# KiCad board STM32MP25XXAK with 2 DDR4.kicad_pcb
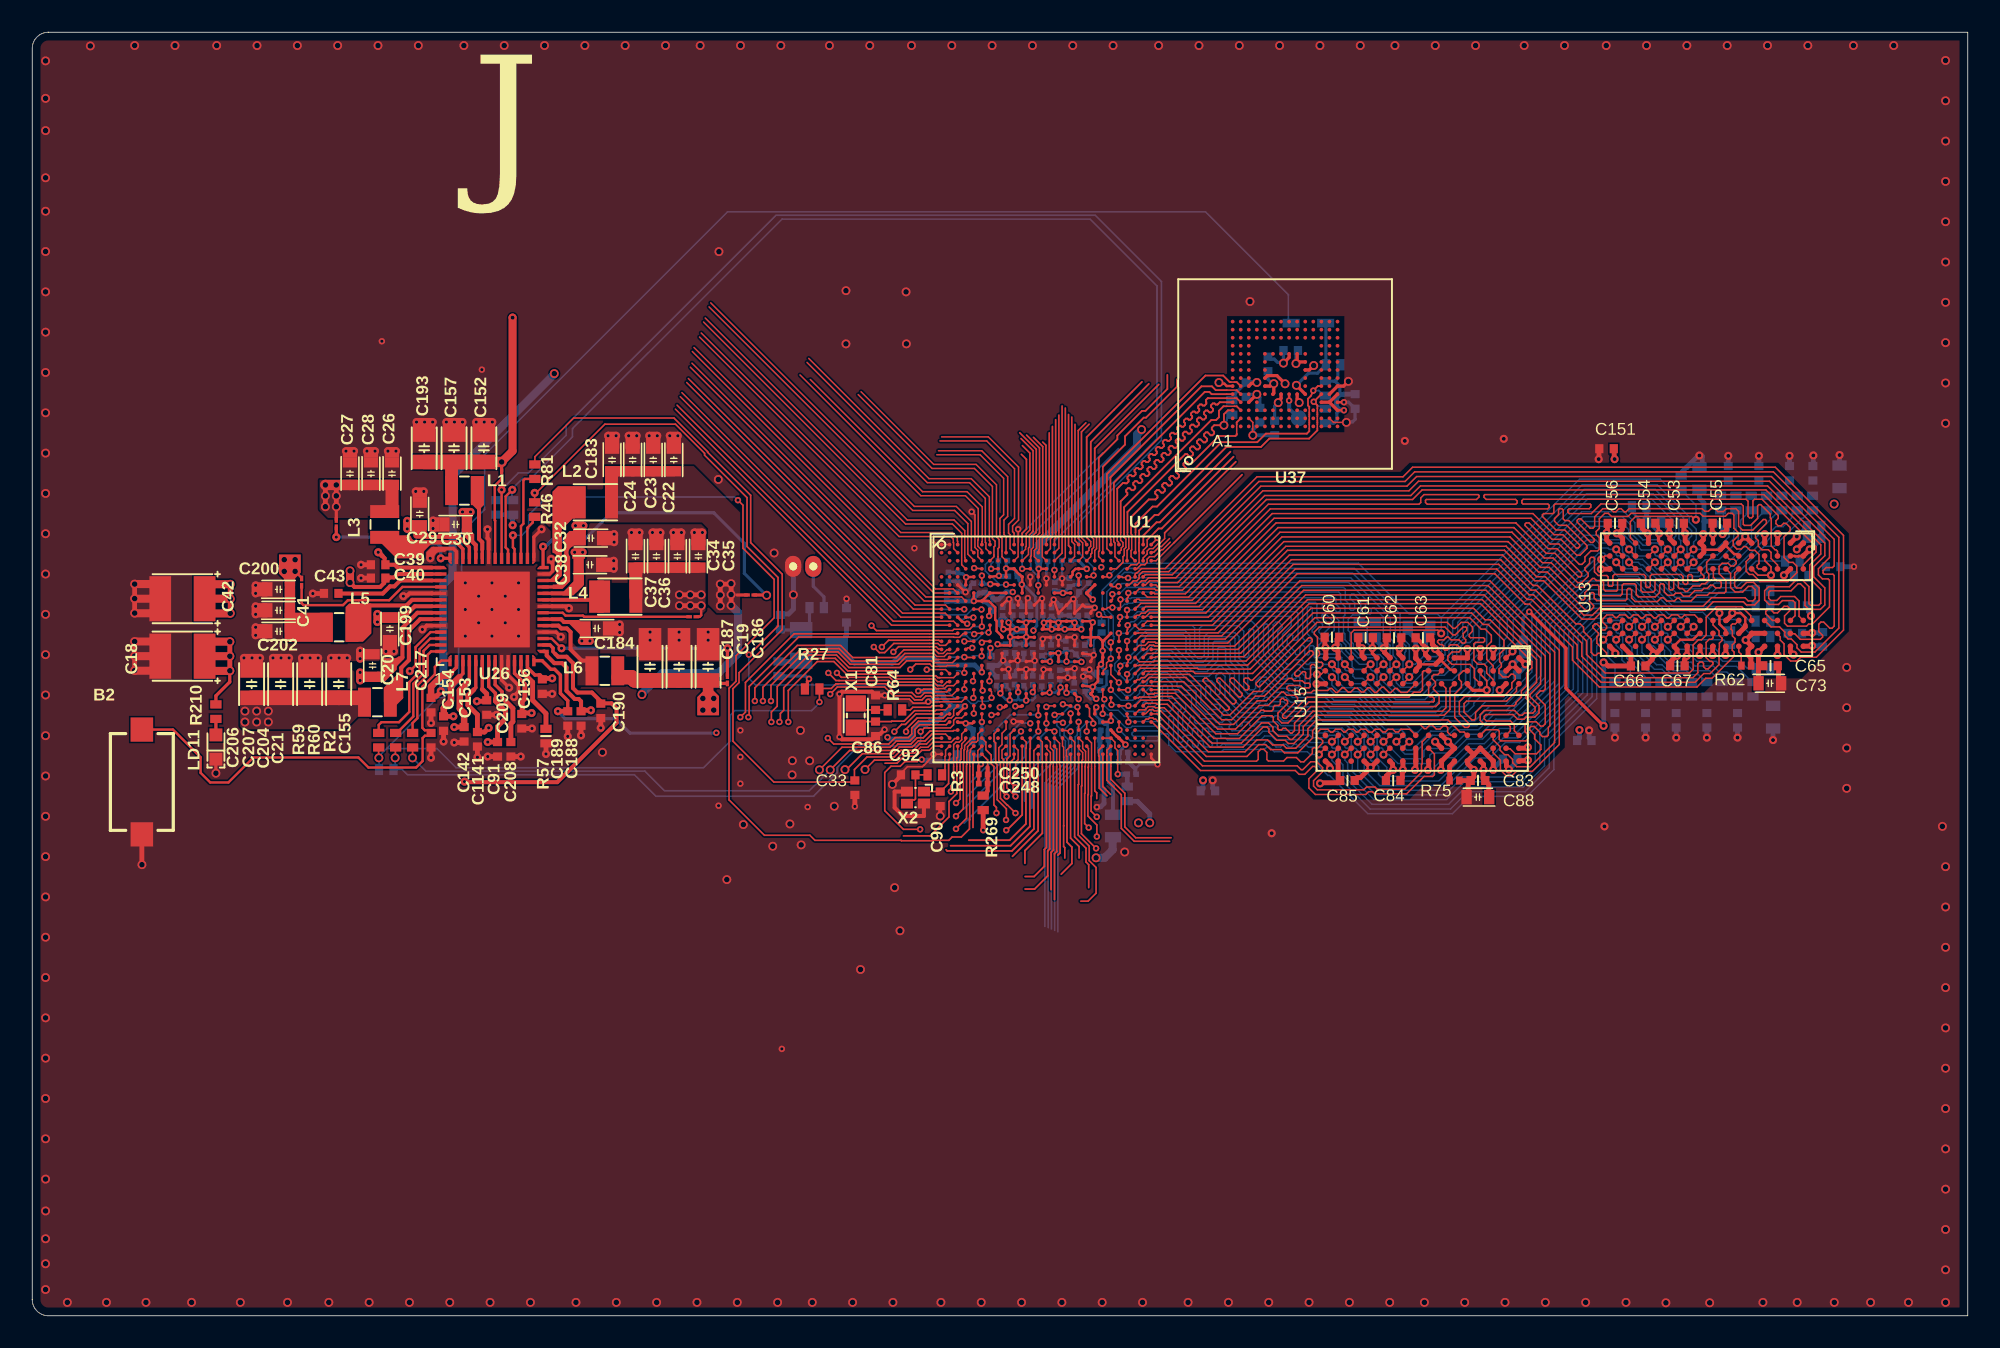
[diagram p0: board, top side]
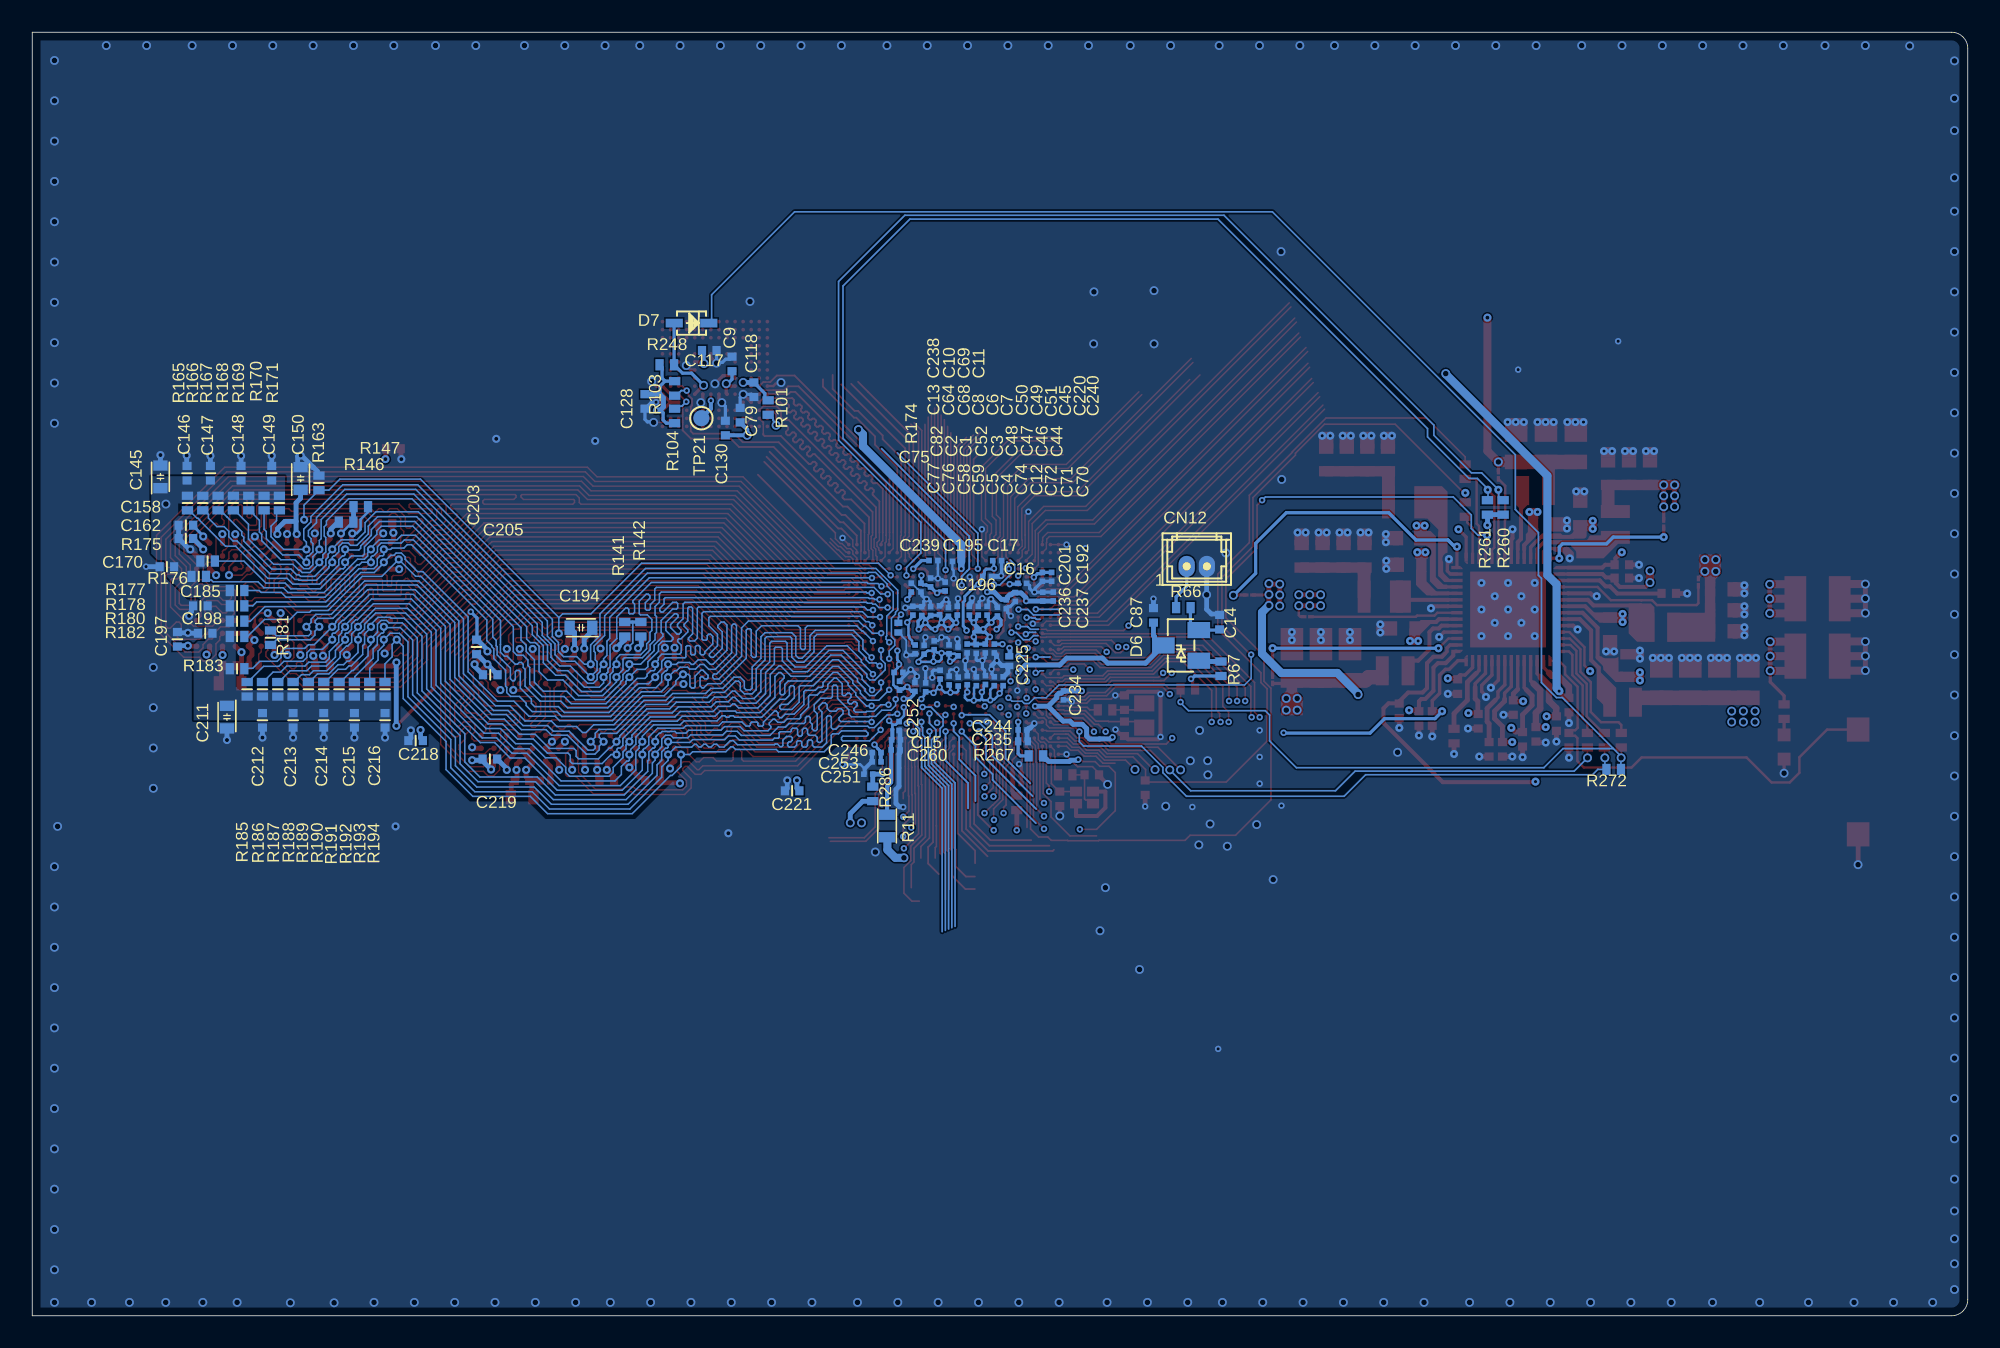
[diagram p1: board, bottom side, seen from below]

Outline 120 x 79.6 mm; copper layers: Top Layer, Signal Layer 1, Signal Layer 2 2, Bottom Layer. Coordinates in mm from the lower left corner of the outline.
Outline path: 0,78.6 arc(0.29,79.31) 1,79.6 120,79.6 120,0 1,0 arc(0.29,0.29) 0,1 0,78.6

## Placement (name value [footprint] x y rotation side)
B2  SW_PUSH_SMD_2P  [SWI_WE_434121025816]  6.79 33.1 90 top
C1  1uF  [C0201_MURATA_GRM033_H0P3]  64.08 41.58 270 bottom
C2  1uF  [C0201_MURATA_GRM033_H0P3]  64.71 41.3 270 bottom
C3  1uF  [C0201_MURATA_GRM033_H0P3]  62.6 41.2 270 bottom
C4  1uF  [C0201_MURATA_GRM033_H0P3]  62.59 39.33 270 bottom
C5  1uF  [C0201_MURATA_GRM033_H0P3]  63.15 39.4 270 bottom
C6  1uF  [C0201_MURATA_GRM033_H0P3]  63.2 43.65 90 bottom
C7  1uF  [C0201_MURATA_GRM033_H0P3]  62.65 43.73 270 bottom
C8  1uF  [C0201_MURATA_GRM033_H0P3]  63.75 43.75 90 bottom
C9  Capacitor  [C0402]  76.62 59.03 270 bottom
C10  1uF  [C0201_MURATA_GRM033_H0P3]  64.9 45.16 90 bottom
C11  1uF  [C0201_MURATA_GRM033_H0P3]  63.4 45.22 270 bottom
C12  1uF  [C0201_MURATA_GRM033_H0P3]  61.47 39.35 90 bottom
C13  1uF  [C0201_MURATA_GRM033_H0P3]  65.4 43.72 270 bottom
C14  Capacitor  [C0402]  46.38 43.01 270 bottom
C15  Capacitor  [C0201_MURATA_GRM033_H0P3]  66.45 35.72 0 bottom
C16  Capacitor  [C0201_MURATA_GRM033_H0P3]  58.63 45.42 0 bottom
C17  Capacitor  [C0201_MURATA_GRM033_H0P3]  60.18 46.83 0 bottom
C18  Cap_POL_TANA  [CPOL_TCJ-B_1210_H210]  9.31 40.91 180 top
C19  Capacitor  [C0805]  40.1 40.25 270 top
C20  Capacitor  [C0603]  21.1 40.32 270 top
C21  Capacitor  [C0805]  19 39.17 270 top
C22  Capacitor  [C0603]  39.78 53.07 270 top
C23  Capacitor  [C0603]  38.5 53.07 270 top
C24  Capacitor  [C0603]  37.23 53.07 270 top
C26  Capacitor  [C0603]  22.3 52.22 270 top
C27  Capacitor  [C0603]  19.7 52.22 270 top
C28  Capacitor  [C0603]  21 52.22 270 top
C29  Capacitor  [C0603]  24.03 49.72 270 top
C30  Capacitor  [C0603]  26.25 49.07 0 top
C32  Capacitor  [C0603]  34.63 48.22 180 top
C33  Capacitor  [C0402]  51 32.75 90 top
C34  Capacitor  [C0603]  40 47.1 270 top
C35  Capacitor  [C0603]  41.3 47.1 270 top
C36  Capacitor  [C0603]  38.7 47.1 270 top
C37  Capacitor  [C0603]  37.4 47.1 270 top
C38  Capacitor  [C0603]  34.58 46.57 180 top
C39  Capacitor  [C0402]  21.45 46.57 0 top
C40  Capacitor  [C0402]  21.45 45.75 0 top
C41  Capacitor  [C0603]  15.28 43.75 0 top
C42  Cap_POL_TANA  [CPOL_TCJ-B_1210_H210]  9.31 44.47 180 top
C43  Capacitor  [C0402]  18.54 44.8 0 top
C44  1uF  [C0201_MURATA_GRM033_H0P3]  60.35 41.38 270 bottom
C45  1uF  [C0201_MURATA_GRM033_H0P3]  60.16 43.67 270 bottom
C46  1uF  [C0201_MURATA_GRM033_H0P3]  60.92 41.38 90 bottom
C47  1uF  [C0201_MURATA_GRM033_H0P3]  61.48 41.36 270 bottom
C48  1uF  [C0201_MURATA_GRM033_H0P3]  62.04 41.38 90 bottom
C49  1uF  [C0201_MURATA_GRM033_H0P3]  61.35 43.72 270 bottom
C50  1uF  [C0201_MURATA_GRM033_H0P3]  61.9 43.72 270 bottom
C51  1uF  [C0201_MURATA_GRM033_H0P3]  60.8 43.72 270 bottom
C52  1uF  [C0201_MURATA_GRM033_H0P3]  63.16 41.33 270 bottom
C53  Capacitor  [C0402]  101.95 49.15 180 top
C54  Capacitor  [C0402]  100.18 49.15 0 top
C55  Capacitor  [C0402]  104.63 49.15 0 top
C56  Capacitor  [C0402]  98.13 49.14 0 top
C58  1uF  [C0201_MURATA_GRM033_H0P3]  64.61 38.97 270 bottom
C59  1uF  [C0201_MURATA_GRM033_H0P3]  63.71 39.76 270 bottom
C60  Capacitor  [C0402]  80.58 42.08 0 top
C61  Capacitor  [C0402]  82.67 42.05 0 top
C62  Capacitor  [C0402]  84.43 42.05 180 top
C63  Capacitor  [C0402]  86.22 42.05 0 top
C64  1uF  [C0201_MURATA_GRM033_H0P3]  64.85 43.7 270 bottom
C65  Capacitor  [C0402]  107.77 40.31 180 top
C66  Capacitor  [C0402]  99.57 40.3 180 top
C67  Capacitor  [C0402]  102 40.31 180 top
C68  1uF  [C0201_MURATA_GRM033_H0P3]  64.3 43.7 270 bottom
C69  1uF  [C0201_MURATA_GRM033_H0P3]  64.31 45.48 270 bottom
C70  1uF  [C0201_MURATA_GRM033_H0P3]  59.81 39.35 90 bottom
C71  1uF  [C0201_MURATA_GRM033_H0P3]  60.36 39.35 270 bottom
C72  1uF  [C0201_MURATA_GRM033_H0P3]  60.91 39.42 270 bottom
C73  Capacitor  [C0603]  107.73 39.22 180 top
C74  1uF  [C0201_MURATA_GRM033_H0P3]  62.03 39.41 270 bottom
C75  1uF  [C0201_MURATA_GRM033_H0P3]  66.29 39.9 0 bottom
C76  1uF  [C0201_MURATA_GRM033_H0P3]  65.28 39 270 bottom
C77  1uF  [C0201_MURATA_GRM033_H0P3]  66.23 39.07 90 bottom
C79  Capacitor  [C0402]  76.11 55.85 270 bottom
C81  Capacitor  [C0402]  52.29 38.02 90 top
C82  1uF  [C0201_MURATA_GRM033_H0P3]  65.26 41.32 90 bottom
C83  Capacitor  [C0402]  89.64 33.2 0 top
C84  Capacitor  [C0402]  84.38 33.2 180 top
C85  Capacitor  [C0402]  81.54 33.19 180 top
C86  Capacitor  [C0402]  52.29 36.4 270 top
C87  -  [C0402]  50.49 43.44 270 bottom
C88  Capacitor  [C0603]  89.63 32.17 0 top
C90  Capacitor  [C0402]  56.29 32.06 90 top
C91  Capacitor  [C0402]  28.85 35.13 270 top
C92  Capacitor  [C0402]  54.31 33.55 180 top
C117  Capacitor  [C0402]  78.03 59.86 0 bottom
C118  Capacitor  [C0402]  75.26 57.43 90 bottom
C128  Capacitor  [C0402]  82.01 56.7 90 bottom
C130  Capacitor  [C0402]  77.03 55.05 270 bottom
C142  Capacitor  [C0402]  26.78 36.06 270 top
C145  Capacitor  [C0603]  112.05 52.03 270 bottom
C146  Capacitor  [C0402]  110.4 52.25 270 bottom
C147  Capacitor  [C0402]  108.95 52.25 270 bottom
C148  Capacitor  [C0402]  107.05 52.25 270 bottom
C149  Capacitor  [C0402]  105.15 52.25 270 bottom
C150  Capacitor  [C0603]  103.36 51.93 270 bottom
C151  Capacitor  [C0402]  97.6 53.77 0 top
C152  Capacitor  [C0805]  28 53.8 270 top
C153  Capacitor  [C0402]  28.18 37.72 90 top
C154  Capacitor  [C0402]  25.5 36.72 90 top
C155  Capacitor  [C0402]  24.73 35.69 90 top
C156  Capacitor  [C0402]  31.63 39.02 90 top
C157  Capacitor  [C0805]  26.15 53.8 270 top
C158  Capacitor  [C0402]  110.48 49.03 180 bottom
C162  Capacitor  [C0402]  110.48 48.2 180 bottom
C170  Capacitor  [C0402]  111.65 46.45 180 bottom
C183  Capacitor  [C0603]  35.95 53.07 270 top
C184  Capacitor  [C0603]  35 42.62 180 top
C185  Capacitor  [C0402]  109.58 44.03 180 bottom
C186  Capacitor  [C0805]  41.9 40.25 270 top
C187  Capacitor  [C0805]  38.3 40.25 270 top
C188  Capacitor  [C0402]  34.03 37.04 90 top
C189  Capacitor  [C0402]  33.2 37.04 90 top
C190  Capacitor  [C0402]  35.25 37.51 270 top
C192  Capacitor  [C0201_MURATA_GRM033_H0P3]  56.8 45.82 90 bottom
C193  Capacitor  [C0805]  24.3 53.8 270 top
C194  Capacitor  [C0603]  85.98 42.67 180 bottom
C195  Capacitor  [C0201_MURATA_GRM033_H0P3]  62.68 46.79 180 bottom
C196  Capacitor  [C0201_MURATA_GRM033_H0P3]  60.8 45.85 0 bottom
C197  Capacitor  [C0402]  111 41.95 270 bottom
C198  Capacitor  [C0402]  109.28 42.33 180 bottom
C199  Capacitor  [C0603]  22.18 42.6 90 top
C200  Capacitor  [C0603]  15.28 45.05 0 top
C201  Capacitor  [C0201_MURATA_GRM033_H0P3]  57.38 45.82 90 bottom
C202  Capacitor  [C0603]  15.28 42.45 0 top
C203  Capacitor  [C0402]  92.45 41.48 90 bottom
C204  Capacitor  [C0805]  17.2 39.17 270 top
C205  Capacitor  [C0402]  91.6 39.75 0 bottom
C206  Capacitor  [C0805]  13.6 39.17 270 top
C207  Capacitor  [C0805]  15.4 39.17 270 top
C208  Capacitor  [C0402]  29.68 35.13 270 top
C209  Capacitor  [C0402]  30.35 36.87 90 top
C211  Capacitor  [C0603]  107.93 37.13 90 bottom
C212  Capacitor  [C0402]  105.73 36.93 90 bottom
C213  Capacitor  [C0402]  103.83 36.93 90 bottom
C214  Capacitor  [C0402]  101.93 36.93 90 bottom
C215  Capacitor  [C0402]  100.03 36.93 90 bottom
C216  Capacitor  [C0402]  98.13 36.93 90 bottom
C217  Capacitor  [C0402]  24.73 37.87 270 top
C218  Capacitor  [C0402]  96.23 35.67 180 bottom
C219  Capacitor  [C0402]  91.63 34.53 0 bottom
C220  Capacitor  [C0201_MURATA_GRM033_H0P3]  59.61 44.13 90 bottom
C221  Capacitor  [C0402]  72.89 32.56 180 bottom
C225  Capacitor  [C0201_H0P5]  59.43 40.6 90 bottom
C234  Capacitor  [C0201_MURATA_GRM033_H0P3]  56.06 38.47 90 bottom
C235  Capacitor  [C0201_H0P5]  58.58 35.62 0 bottom
C236  Capacitor  [C0201_MURATA_GRM033_H0P3]  57.35 44.6 270 bottom
C237  Capacitor  [C0201_MURATA_GRM033_H0P3]  56.7 44.6 270 bottom
C238  Capacitor  [C0201_MURATA_GRM033_H0P3]  65.5 45.16 270 bottom
C239  Capacitor  [C0201_MURATA_GRM033_H0P3]  64.13 46.84 0 bottom
C240  Capacitor  [C0201_MURATA_GRM033_H0P3]  59.05 44.57 90 bottom
C244  Capacitor  [C0201_MURATA_GRM033_H0P3]  58.6 36.33 0 bottom
C246  Capacitor  [C0201_MURATA_GRM033_H0P3]  67.65 34.92 180 bottom
C248  Capacitor  [C0201_MURATA_GRM033_H0P3]  58.96 33 0 top
C250  Capacitor  [C0201_MURATA_GRM033_H0P3]  58.96 33.57 0 top
C251  Capacitor  [C0201_MURATA_GRM033_H0P3]  68.17 33.59 180 bottom
C252  Capacitor  [C0201_MURATA_GRM033_H0P3]  66.26 36.58 90 bottom
C253  Capacitor  [C0201_MURATA_GRM033_H0P3]  67.65 34.35 180 bottom
C260  Capacitor  [C0201_MURATA_GRM033_H0P3]  66.47 35.09 0 bottom
C1141  Capacitor  [C0402]  27.6 35.75 270 top
CN12  -  [CON_MOLEX_53047-0210]  47.8 46.47 180 bottom
D6  DIODE_3P_DUAL_COMMON_CATHODE  [DIO_SOT23]  48.77 41.57 90 bottom
D7  BAT60JFILM  [DIO_SOD323]  79.13 61.56 180 bottom
L1  Inductor  [IND_2016_MURATA_LQM2MPN2R2NG0]  26.8 51.17 180 top
L2  Inductor  [IND_2520_TOKO_DFE252012P]  34.92 50.45 0 top
L3  Inductor  [IND_2016_MURATA_LQM2MPN2R2NG0]  21.85 49.07 90 top
L4  Inductor  [IND_2520_TOKO_DFE252012P]  36.43 44.6 0 top
L5  Inductor  [IND_2016_MURATA_LQM2MPN2R2NG0]  19.03 42.7 180 top
L6  Inductor  [IND_2016_MURATA_LQM2MPN2R2NG0]  35.5 40 0 top
L7  Inductor  [IND_2016_MURATA_LQM2MPN2R2NG0]  21.4 38.05 180 top
LD11  LED_green  [LED_0603_OSRAM_LG-Q396-PS-35_GREEN_1A2K_H0P4]  11.39 35.27 270 top
LNK1  link_200  [LINK200]  29.1 52.12 0 top
LNK2  link_200  [LINK200]  44.54 44.7 90 top
LNK4  link_200  [LINK200]  18.85 49.12 180 top
LNK7  link_200  [LINK200]  40.95 43.35 270 top
LNK8  link_200  [LINK200]  16.7 45.5 0 top
LNK11  link_200  [LINK200]  43.1 39.44 180 top
R2  -  [R0402]  23.58 35.69 90 top
R3  -  [R0402]  55.96 33.55 0 top
R11  Resistor  [R0603]  67 30.37 90 bottom
R27  Resistor  [R0402]  48.35 38.87 180 top
R46  -  [R0402]  31.15 50 270 top
R57  -  [R0402]  31.85 35.95 90 top
R59  -  [R0402]  21.48 35.69 90 top
R60  -  [R0402]  22.53 35.69 90 top
R62  Resistor  [R0201_H0P23]  106.27 40.32 180 top
R64  -  [R0402]  53.49 37.57 180 top
R66  Resistor  [R0402#3]  48.63 43.92 180 bottom
R67  Resistor  [R0402]  46.3 40.12 270 bottom
R75  Resistor  [R0201_H0P23]  88.18 33.19 180 top
R81  -  [R0402]  31.16 52.35 270 top
R101  Resistor  [R0402]  74.38 56.32 90 bottom
R103  Resistor  [R0402]  80.17 57.51 90 bottom
R104  Resistor  [R0402]  80.18 55.8 270 bottom
R141  Resistor  [R0402]  83.27 42.57 270 bottom
R142  Resistor  [R0402]  82.27 42.58 90 bottom
R146  Resistor  [R0402]  100.54 49.22 0 bottom
R147  Resistor  [R0402]  99.63 50.17 0 bottom
R163  Resistor  [R0402]  102.23 51.65 270 bottom
R165  Resistor  [R0402]  110.38 50.4 90 bottom
R166  Resistor  [R0402]  109.43 50.4 90 bottom
R167  Resistor  [R0402]  108.48 50.4 90 bottom
R168  Resistor  [R0402]  107.53 50.4 90 bottom
R169  Resistor  [R0402]  106.58 50.4 90 bottom
R170  Resistor  [R0402]  105.63 50.4 90 bottom
R171  Resistor  [R0402]  104.68 50.4 90 bottom
R174  Resistor  [R0201_H0P23]  66.3 42.67 90 bottom
R175  Resistor  [R0402]  109.13 46.8 0 bottom
R176  Resistor  [R0402]  109.68 45.85 0 bottom
R177  Resistor  [R0402]  107.3 44.98 0 bottom
R178  Resistor  [R0402]  107.3 44.03 0 bottom
R180  Resistor  [R0402]  107.3 43.08 0 bottom
R181  Resistor  [R0402]  105.23 42.05 90 bottom
R182  Resistor  [R0402]  107.3 42.13 0 bottom
R183  Resistor  [R0402]  107.3 40.13 0 bottom
R185  Resistor  [R0402]  106.68 38.85 270 bottom
R186  Resistor  [R0402]  105.73 38.85 270 bottom
R187  Resistor  [R0402]  104.78 38.85 270 bottom
R188  Resistor  [R0402]  103.83 38.85 270 bottom
R189  Resistor  [R0402]  102.88 38.85 270 bottom
R190  Resistor  [R0402]  101.93 38.85 270 bottom
R191  Resistor  [R0402]  100.98 38.85 270 bottom
R192  Resistor  [R0402]  100.03 38.85 270 bottom
R193  Resistor  [R0402]  99.08 38.85 270 bottom
R194  Resistor  [R0402]  98.13 38.85 270 bottom
R210  Resistor  [R0402]  11.39 37.46 270 top
R248  Resistor  [R0402#2]  80.66 58.98 0 bottom
R260  Resistor  [R0402]  28.81 50.13 270 bottom
R261  Resistor  [R0402]  29.78 50.13 270 bottom
R267  -  [R0402]  57.77 34.72 180 bottom
R269  -  [R0402]  58.96 31.81 90 top
R272  Resistor  [R0402]  21.95 33.88 0 bottom
R286  -  [R0402]  67.89 32.37 90 bottom
TP21  Test Point  [TP_SMD_1MM]  78.52 55.66 90 bottom
U1  STM32MP257FAK3  [ICC_TFBGA424_14X14_P050_H1P20_CODE-B0A2]  62.88 41.32 0 top
U13  MT40A1G16TB-062E IT:F  [ICC_FBGA96_TB_7P5X13_P080]  103.81 44.72 270 top
U15  MT40A1G16TB-062E IT:F  [ICC_FBGA96_TB_7P5X13_P080]  86.17 37.6 270 top
U26  STPMIC25APQR  [ICC_QFN56-EPAD_6P5X6P5_P040]  28.5 43.8 90 top
U37  eMMC_THGBMTG5D1LBAIL  [ICC_P-WFBGA153_13X11P5_P050]  77.68 58.4 0 top
X1  XTAL_2_PINS  [CRY_NX2012SA_2P]  51.06 37.23 270 top
X2  XTAL_4_PINS  [CRY_NX1612SA_4P]  54.76 32.13 180 top

## Footprints (pads in the part's own frame, mm; a bottom-side part is the same pattern mirrored in y, then rotated)
C0201_H0P5
  rect 0.4x0.5 smd: 1(-0.3,0) 2(0.3,0)
C0201_MURATA_GRM033_H0P3
  rect 0.35x0.35 smd: 1(-0.275,0) 2(0.275,0)
C0402
  rect 0.51x0.56 smd: 1(-0.45,0) 2(0.45,0)
C0603
  rect 0.64x0.89 smd: 1(-0.7,0) 2(0.7,0)
C0805
  rect 0.9x1.4 smd: 1(-0.85,0) 2(0.85,0)
CON_MOLEX_53047-0210
  oval 1x1.3 hole 0.5: 1(-0.625,0) 2(0.625,0)
CPOL_TCJ-B_1210_H210
  rect 1.35x2.8 smd: 1(-1.375,0) 2(1.375,0)
CRY_NX1612SA_4P
  rect 0.75x0.6 smd: 1(-0.525,-0.375) 2(0.525,-0.375) 3(0.525,0.375) 4(-0.525,0.375)
CRY_NX2012SA_2P
  rect 1x1.25 smd: 1(-0.75,0) 2(0.75,0)
DIO_SOD323
  rect 1.06x0.54 smd: 1(-1.07,0) 2(1.07,0)
DIO_SOT23
  rect 1x1.4 smd: 1(-0.95,-1.1) 2(0.95,-1.1) 3(0,1.1)
ICC_FBGA96_TB_7P5X13_P080
  round 0.35 smd: A1(-3.2,6) A2(-2.4,6) A3(-1.6,6) A7(1.6,6) A8(2.4,6) A9(3.2,6) B1(-3.2,5.2) B2(-2.4,5.2) B3(-1.6,5.2) B7(1.6,5.2) B8(2.4,5.2) B9(3.2,5.2) C1(-3.2,4.4) C2(-2.4,4.4) C3(-1.6,4.4) C7(1.6,4.4) C8(2.4,4.4) C9(3.2,4.4) D1(-3.2,3.6) D2(-2.4,3.6) D3(-1.6,3.6) D7(1.6,3.6) D8(2.4,3.6) D9(3.2,3.6) E1(-3.2,2.8) E2(-2.4,2.8) E3(-1.6,2.8) E7(1.6,2.8) E8(2.4,2.8) E9(3.2,2.8) F1(-3.2,2) F2(-2.4,2) F3(-1.6,2) F7(1.6,2) F8(2.4,2) F9(3.2,2) G1(-3.2,1.2) G2(-2.4,1.2) G3(-1.6,1.2) G7(1.6,1.2) G8(2.4,1.2) G9(3.2,1.2) H1(-3.2,0.4) H2(-2.4,0.4) H3(-1.6,0.4) H7(1.6,0.4) H8(2.4,0.4) H9(3.2,0.4) J1(-3.2,-0.4) J2(-2.4,-0.4) J3(-1.6,-0.4) J7(1.6,-0.4) J8(2.4,-0.4) J9(3.2,-0.4) K1(-3.2,-1.2) K2(-2.4,-1.2) K3(-1.6,-1.2) K7(1.6,-1.2) K8(2.4,-1.2) K9(3.2,-1.2) L1(-3.2,-2) L2(-2.4,-2) L3(-1.6,-2) L7(1.6,-2) L8(2.4,-2) L9(3.2,-2) M1(-3.2,-2.8) M2(-2.4,-2.8) M3(-1.6,-2.8) M7(1.6,-2.8) M8(2.4,-2.8) M9(3.2,-2.8) N1(-3.2,-3.6) N2(-2.4,-3.6) N3(-1.6,-3.6) N7(1.6,-3.6) N8(2.4,-3.6) N9(3.2,-3.6) P1(-3.2,-4.4) P2(-2.4,-4.4) P3(-1.6,-4.4) P7(1.6,-4.4) P8(2.4,-4.4) P9(3.2,-4.4) R1(-3.2,-5.2) R2(-2.4,-5.2) R3(-1.6,-5.2) R7(1.6,-5.2) R8(2.4,-5.2) R9(3.2,-5.2) T1(-3.2,-6) T2(-2.4,-6) T3(-1.6,-6) T7(1.6,-6) T8(2.4,-6) T9(3.2,-6)
ICC_P-WFBGA153_13X11P5_P050
  round 0.23 smd: A1(-3.25,-3.25) A2(-3.25,-2.75) A3(-3.25,-2.25) A4(-3.25,-1.75) A5(-3.25,-1.25) A6(-3.25,-0.75) A7(-3.25,-0.25) A8(-3.25,0.25) A9(-3.25,0.75) A10(-3.25,1.25) A11(-3.25,1.75) A12(-3.25,2.25) A13(-3.25,2.75) A14(-3.25,3.25) B1(-2.75,-3.25) B2(-2.75,-2.75) B3(-2.75,-2.25) B4(-2.75,-1.75) B5(-2.75,-1.25) B6(-2.75,-0.75) B7(-2.75,-0.25) B8(-2.75,0.25) B9(-2.75,0.75) B10(-2.75,1.25) B11(-2.75,1.75) B12(-2.75,2.25) B13(-2.75,2.75) B14(-2.75,3.25) C1(-2.25,-3.25) C2(-2.25,-2.75) C3(-2.25,-2.25) C4(-2.25,-1.75) C5(-2.25,-1.25) C6(-2.25,-0.75) C7(-2.25,-0.25) C8(-2.25,0.25) C9(-2.25,0.75) C10(-2.25,1.25) C11(-2.25,1.75) C12(-2.25,2.25) C13(-2.25,2.75) C14(-2.25,3.25) D1(-1.75,-3.25) D2(-1.75,-2.75) D3(-1.75,-2.25) D4(-1.75,-1.75) D12(-1.75,2.25) D13(-1.75,2.75) D14(-1.75,3.25) E1(-1.25,-3.25) E2(-1.25,-2.75) E3(-1.25,-2.25) E5(-1.25,-1.25) E6(-1.25,-0.75) E7(-1.25,-0.25) E8(-1.25,0.25) E9(-1.25,0.75) E10(-1.25,1.25) E12(-1.25,2.25) E13(-1.25,2.75) E14(-1.25,3.25) F1(-0.75,-3.25) F2(-0.75,-2.75) F3(-0.75,-2.25) F5(-0.75,-1.25) F10(-0.75,1.25) F12(-0.75,2.25) F13(-0.75,2.75) F14(-0.75,3.25) G1(-0.25,-3.25) G2(-0.25,-2.75) G3(-0.25,-2.25) G5(-0.25,-1.25) G10(-0.25,1.25) G12(-0.25,2.25) G13(-0.25,2.75) G14(-0.25,3.25) H1(0.25,-3.25) H2(0.25,-2.75) H3(0.25,-2.25) H5(0.25,-1.25) H10(0.25,1.25) H12(0.25,2.25) H13(0.25,2.75) H14(0.25,3.25) J1(0.75,-3.25) J2(0.75,-2.75) J3(0.75,-2.25) J5(0.75,-1.25) J10(0.75,1.25) J12(0.75,2.25) J13(0.75,2.75) J14(0.75,3.25) K1(1.25,-3.25) K2(1.25,-2.75) K3(1.25,-2.25) K5(1.25,-1.25) K6(1.25,-0.75) K7(1.25,-0.25) K8(1.25,0.25) K9(1.25,0.75) K10(1.25,1.25) K12(1.25,2.25) K13(1.25,2.75) K14(1.25,3.25) L1(1.75,-3.25) L2(1.75,-2.75) L3(1.75,-2.25) L12(1.75,2.25) L13(1.75,2.75) L14(1.75,3.25) M1(2.25,-3.25) M2(2.25,-2.75) M3(2.25,-2.25) M4(2.25,-1.75) M5(2.25,-1.25) M6(2.25,-0.75) M7(2.25,-0.25) M8(2.25,0.25) M9(2.25,0.75) M10(2.25,1.25) M11(2.25,1.75) M12(2.25,2.25) M13(2.25,2.75) M14(2.25,3.25) N1(2.75,-3.25) N2(2.75,-2.75) N3(2.75,-2.25) N4(2.75,-1.75) N5(2.75,-1.25) N6(2.75,-0.75) N7(2.75,-0.25) N8(2.75,0.25) N9(2.75,0.75) N10(2.75,1.25) N11(2.75,1.75) N12(2.75,2.25) N13(2.75,2.75) N14(2.75,3.25) P1(3.25,-3.25) P2(3.25,-2.75) P3(3.25,-2.25) P4(3.25,-1.75) P5(3.25,-1.25) P6(3.25,-0.75) P7(3.25,-0.25) P8(3.25,0.25) P9(3.25,0.75) P10(3.25,1.25) P11(3.25,1.75) P12(3.25,2.25) P13(3.25,2.75) P14(3.25,3.25)
ICC_QFN56-EPAD_6P5X6P5_P040
  custom 0.15x0.21 smd: (-2.97,2.495) (-2.97,-2.495) (2.97,2.495) (2.97,-2.495)
  custom 0.21x0.15 smd: (-2.495,2.97) (-2.495,-2.97) (2.495,2.97) (2.495,-2.97)
  rect 0.55x0.21 smd: 1(-3.245,2.6) 14(-3.245,-2.6) 29(3.245,-2.6) 42(3.245,2.6)
  rect 0.7x0.21 smd: 2(-3.17,2.2) 3(-3.17,1.8) 4(-3.17,1.4) 5(-3.17,1) 6(-3.17,0.6) 7(-3.17,0.2) 8(-3.17,-0.2) 9(-3.17,-0.6) 10(-3.17,-1) 11(-3.17,-1.4) 12(-3.17,-1.8) 13(-3.17,-2.2) 30(3.17,-2.2) 31(3.17,-1.8) 32(3.17,-1.4) 33(3.17,-1) 34(3.17,-0.6) 35(3.17,-0.2) 36(3.17,0.2) 37(3.17,0.6) 38(3.17,1) 39(3.17,1.4) 40(3.17,1.8) 41(3.17,2.2)
  rect 0.21x0.55 smd: 15(-2.6,-3.245) 28(2.6,-3.245) 43(2.6,3.245) 56(-2.6,3.245)
  rect 0.21x0.7 smd: 16(-2.2,-3.17) 17(-1.8,-3.17) 18(-1.4,-3.17) 19(-1,-3.17) 20(-0.6,-3.17) 21(-0.2,-3.17) 22(0.2,-3.17) 23(0.6,-3.17) 24(1,-3.17) 25(1.4,-3.17) 26(1.8,-3.17) 27(2.2,-3.17) 44(2.2,3.17) 45(1.8,3.17) 46(1.4,3.17) 47(1,3.17) 48(0.6,3.17) 49(0.2,3.17) 50(-0.2,3.17) 51(-0.6,3.17) 52(-1,3.17) 53(-1.4,3.17) 54(-1.8,3.17) 55(-2.2,3.17)
  rect 4.7x4.7 smd: 57(0,0)
ICC_TFBGA424_14X14_P050_H1P20_CODE-B0A2
  round 0.23 smd: 1A1(-2.75,2.75) 1A3(-1.75,2.75) 1A5(-0.75,2.75) 1A7(0.25,2.75) 1A9(1.25,2.75) 1A11(2.25,2.75) 1B2(-2.25,2.25) 1B4(-1.25,2.25) 1B6(-0.25,2.25) 1B8(0.75,2.25) 1B10(1.75,2.25) 1B12(2.75,2.25) 1C1(-2.75,1.75) 1C3(-1.75,1.75) 1C5(-0.75,1.75) 1C7(0.25,1.75) 1C9(1.25,1.75) 1C11(2.25,1.75) 1D2(-2.25,1.25) 1D4(-1.25,1.25) 1D6(-0.25,1.25) 1D8(0.75,1.25) 1D10(1.75,1.25) 1D12(2.75,1.25) 1E1(-2.75,0.75) 1E3(-1.75,0.75) 1E5(-0.75,0.75) 1E7(0.25,0.75) 1E9(1.25,0.75) 1E11(2.25,0.75) 1F2(-2.25,0.25) 1F4(-1.25,0.25) 1F6(-0.25,0.25) 1F8(0.75,0.25) 1F10(1.75,0.25) 1F12(2.75,0.25) 1G1(-2.75,-0.25) 1G3(-1.75,-0.25) 1G5(-0.75,-0.25) 1G7(0.25,-0.25) 1G9(1.25,-0.25) 1G11(2.25,-0.25) 1H2(-2.25,-0.75) 1H4(-1.25,-0.75) 1H6(-0.25,-0.75) 1H8(0.75,-0.75) 1H10(1.75,-0.75) 1H12(2.75,-0.75) 1J1(-2.75,-1.25) 1J3(-1.75,-1.25) 1J5(-0.75,-1.25) 1J7(0.25,-1.25) 1J9(1.25,-1.25) 1J11(2.25,-1.25) 1K2(-2.25,-1.75) 1K4(-1.25,-1.75) 1K6(-0.25,-1.75) 1K8(0.75,-1.75) 1K10(1.75,-1.75) 1K12(2.75,-1.75) 1L1(-2.75,-2.25) 1L3(-1.75,-2.25) 1L5(-0.75,-2.25) 1L7(0.25,-2.25) 1L9(1.25,-2.25) 1L11(2.25,-2.25) 1M2(-2.25,-2.75) 1M4(-1.25,-2.75) 1M6(-0.25,-2.75) 1M8(0.75,-2.75) 1M10(1.75,-2.75) 1M12(2.75,-2.75) A1(-6.5,6.5) A2(-6,6.5) A3(-5.5,6.5) A6(-4,6.5) A7(-3.5,6.5) A10(-2,6.5) A11(-1.5,6.5) A14(0,6.5) A15(0.5,6.5) A18(2,6.5) A19(2.5,6.5) A22(4,6.5) A23(4.5,6.5) A26(6,6.5) A27(6.5,6.5) AA1(-6.5,-3.5) AA2(-6,-3.5) AA3(-5.5,-3.5) AA5(-4.5,-3.5) AA7(-3.5,-3.5) AA9(-2.5,-3.5) AA11(-1.5,-3.5) AA13(-0.5,-3.5) AA15(0.5,-3.5) AA17(1.5,-3.5) AA19(2.5,-3.5) AA21(3.5,-3.5) AA23(4.5,-3.5) AA25(5.5,-3.5) AA26(6,-3.5) AB1(-6.5,-4) AB2(-6,-4) AB3(-5.5,-4) AB4(-5,-4) AB6(-4,-4) AB8(-3,-4) AB10(-2,-4) AB12(-1,-4) AB14(0,-4) AB16(1,-4) AB18(2,-4) AB20(3,-4) AB22(4,-4) AB24(5,-4) AB25(5.5,-4) AB26(6,-4) AB27(6.5,-4) AC2(-6,-4.5) AC3(-5.5,-4.5) AC5(-4.5,-4.5) AC7(-3.5,-4.5) AC9(-2.5,-4.5) AC11(-1.5,-4.5) AC13(-0.5,-4.5) AC15(0.5,-4.5) AC17(1.5,-4.5) AC19(2.5,-4.5) AC21(3.5,-4.5) AC23(4.5,-4.5) AC25(5.5,-4.5) AC26(6,-4.5) AC27(6.5,-4.5) AD3(-5.5,-5) AD4(-5,-5) AD6(-4,-5) AD8(-3,-5) AD10(-2,-5) AD12(-1,-5) AD14(0,-5) AD16(1,-5) AD18(2,-5) AD20(3,-5) AD22(4,-5) AD24(5,-5) AD25(5.5,-5) AE1(-6.5,-5.5) AE2(-6,-5.5) AE3(-5.5,-5.5) AE4(-5,-5.5) AE5(-4.5,-5.5) AE6(-4,-5.5) AE7(-3.5,-5.5) AE8(-3,-5.5) AE9(-2.5,-5.5) AE10(-2,-5.5) AE11(-1.5,-5.5) AE12(-1,-5.5) AE13(-0.5,-5.5) AE14(0,-5.5) AE15(0.5,-5.5) AE16(1,-5.5) AE17(1.5,-5.5) AE18(2,-5.5) AE19(2.5,-5.5) AE20(3,-5.5) AE21(3.5,-5.5) AE22(4,-5.5) AE23(4.5,-5.5) AE24(5,-5.5) AE25(5.5,-5.5) AE26(6,-5.5) AF1(-6.5,-6) AF2(-6,-6) AF3(-5.5,-6) AF5(-4.5,-6) AF6(-4,-6) AF7(-3.5,-6) AF9(-2.5,-6) AF10(-2,-6) AF11(-1.5,-6) AF13(-0.5,-6) AF14(0,-6) AF15(0.5,-6) AF17(1.5,-6) AF18(2,-6) AF19(2.5,-6) AF21(3.5,-6) AF22(4,-6) AF23(4.5,-6) AF25(5.5,-6) AF26(6,-6) AF27(6.5,-6) AG1(-6.5,-6.5) AG2(-6,-6.5) AG5(-4.5,-6.5) AG6(-4,-6.5) AG9(-2.5,-6.5) AG10(-2,-6.5) AG13(-0.5,-6.5) AG14(0,-6.5) AG17(1.5,-6.5) AG18(2,-6.5) AG21(3.5,-6.5) AG22(4,-6.5) AG25(5.5,-6.5) AG26(6,-6.5) AG27(6.5,-6.5) B1(-6.5,6) B2(-6,6) B3(-5.5,6) B5(-4.5,6) B6(-4,6) B7(-3.5,6) B9(-2.5,6) B10(-2,6) B11(-1.5,6) B13(-0.5,6) B14(0,6) B15(0.5,6) B17(1.5,6) B18(2,6) B19(2.5,6) B21(3.5,6) B22(4,6) B23(4.5,6) B25(5.5,6) B26(6,6) B27(6.5,6) C2(-6,5.5) C3(-5.5,5.5) C4(-5,5.5) C5(-4.5,5.5) C6(-4,5.5) C7(-3.5,5.5) C8(-3,5.5) C9(-2.5,5.5) C10(-2,5.5) C11(-1.5,5.5) C12(-1,5.5) C13(-0.5,5.5) C14(0,5.5) C15(0.5,5.5) C16(1,5.5) C17(1.5,5.5) C18(2,5.5) C19(2.5,5.5) C20(3,5.5) C21(3.5,5.5) C22(4,5.5) C23(4.5,5.5) C24(5,5.5) C25(5.5,5.5) C26(6,5.5) C27(6.5,5.5) D3(-5.5,5) D4(-5,5) D6(-4,5) D8(-3,5) D10(-2,5) D12(-1,5) D14(0,5) D16(1,5) D18(2,5) D20(3,5) D22(4,5) D24(5,5) D25(5.5,5) E1(-6.5,4.5) E2(-6,4.5) E3(-5.5,4.5) E5(-4.5,4.5) E7(-3.5,4.5) E9(-2.5,4.5) E11(-1.5,4.5) E13(-0.5,4.5) E15(0.5,4.5) E17(1.5,4.5) E19(2.5,4.5) E21(3.5,4.5) E23(4.5,4.5) E25(5.5,4.5) E26(6,4.5) F1(-6.5,4) F2(-6,4) F3(-5.5,4) F4(-5,4) F6(-4,4) F8(-3,4) F10(-2,4) F12(-1,4) F14(0,4) F16(1,4) F18(2,4) F20(3,4) F22(4,4) F24(5,4) F25(5.5,4) F26(6,4) F27(6.5,4) G2(-6,3.5) G3(-5.5,3.5) G5(-4.5,3.5) G7(-3.5,3.5) G9(-2.5,3.5) G11(-1.5,3.5) G13(-0.5,3.5) G15(0.5,3.5) G17(1.5,3.5) G19(2.5,3.5) G21(3.5,3.5) G23(4.5,3.5) G25(5.5,3.5) G26(6,3.5) G27(6.5,3.5) H3(-5.5,3) H4(-5,3) H6(-4,3) H22(4,3) H24(5,3) H25(5.5,3) J1(-6.5,2.5) J2(-6,2.5) J3(-5.5,2.5) J5(-4.5,2.5) J7(-3.5,2.5) J21(3.5,2.5) J23(4.5,2.5) J25(5.5,2.5) J26(6,2.5) K1(-6.5,2) K2(-6,2) K3(-5.5,2) K4(-5,2) K6(-4,2) K22(4,2) K24(5,2) K25(5.5,2) K26(6,2) K27(6.5,2) L2(-6,1.5) L3(-5.5,1.5) L5(-4.5,1.5) L7(-3.5,1.5) L21(3.5,1.5) L23(4.5,1.5) L25(5.5,1.5) L26(6,1.5) L27(6.5,1.5) M3(-5.5,1) M4(-5,1) M6(-4,1) M22(4,1) M24(5,1) M25(5.5,1) N1(-6.5,0.5) N2(-6,0.5) N3(-5.5,0.5) N5(-4.5,0.5) N7(-3.5,0.5) N21(3.5,0.5) N23(4.5,0.5) N25(5.5,0.5) N26(6,0.5) P1(-6.5,0) P2(-6,0) P3(-5.5,0) P4(-5,0) P6(-4,0) P22(4,0) P24(5,0) P25(5.5,0) P26(6,0) P27(6.5,0) R2(-6,-0.5) R3(-5.5,-0.5) R5(-4.5,-0.5) R7(-3.5,-0.5) R21(3.5,-0.5) R23(4.5,-0.5) R25(5.5,-0.5) R26(6,-0.5) R27(6.5,-0.5) T3(-5.5,-1) T4(-5,-1) T6(-4,-1) T22(4,-1) T24(5,-1) T25(5.5,-1) U1(-6.5,-1.5) U2(-6,-1.5) U3(-5.5,-1.5) U5(-4.5,-1.5) U7(-3.5,-1.5) U21(3.5,-1.5) U23(4.5,-1.5) U25(5.5,-1.5) U26(6,-1.5) V1(-6.5,-2) V2(-6,-2) V3(-5.5,-2) V4(-5,-2) V6(-4,-2) V22(4,-2) V24(5,-2) V25(5.5,-2) V26(6,-2) V27(6.5,-2) W2(-6,-2.5) W3(-5.5,-2.5) W5(-4.5,-2.5) W7(-3.5,-2.5) W21(3.5,-2.5) W23(4.5,-2.5) W25(5.5,-2.5) W26(6,-2.5) W27(6.5,-2.5) Y3(-5.5,-3) Y4(-5,-3) Y6(-4,-3) Y22(4,-3) Y24(5,-3) Y25(5.5,-3)